# KiCad board RKD07_Assemble_ZWEI.kicad_pcb (continued)
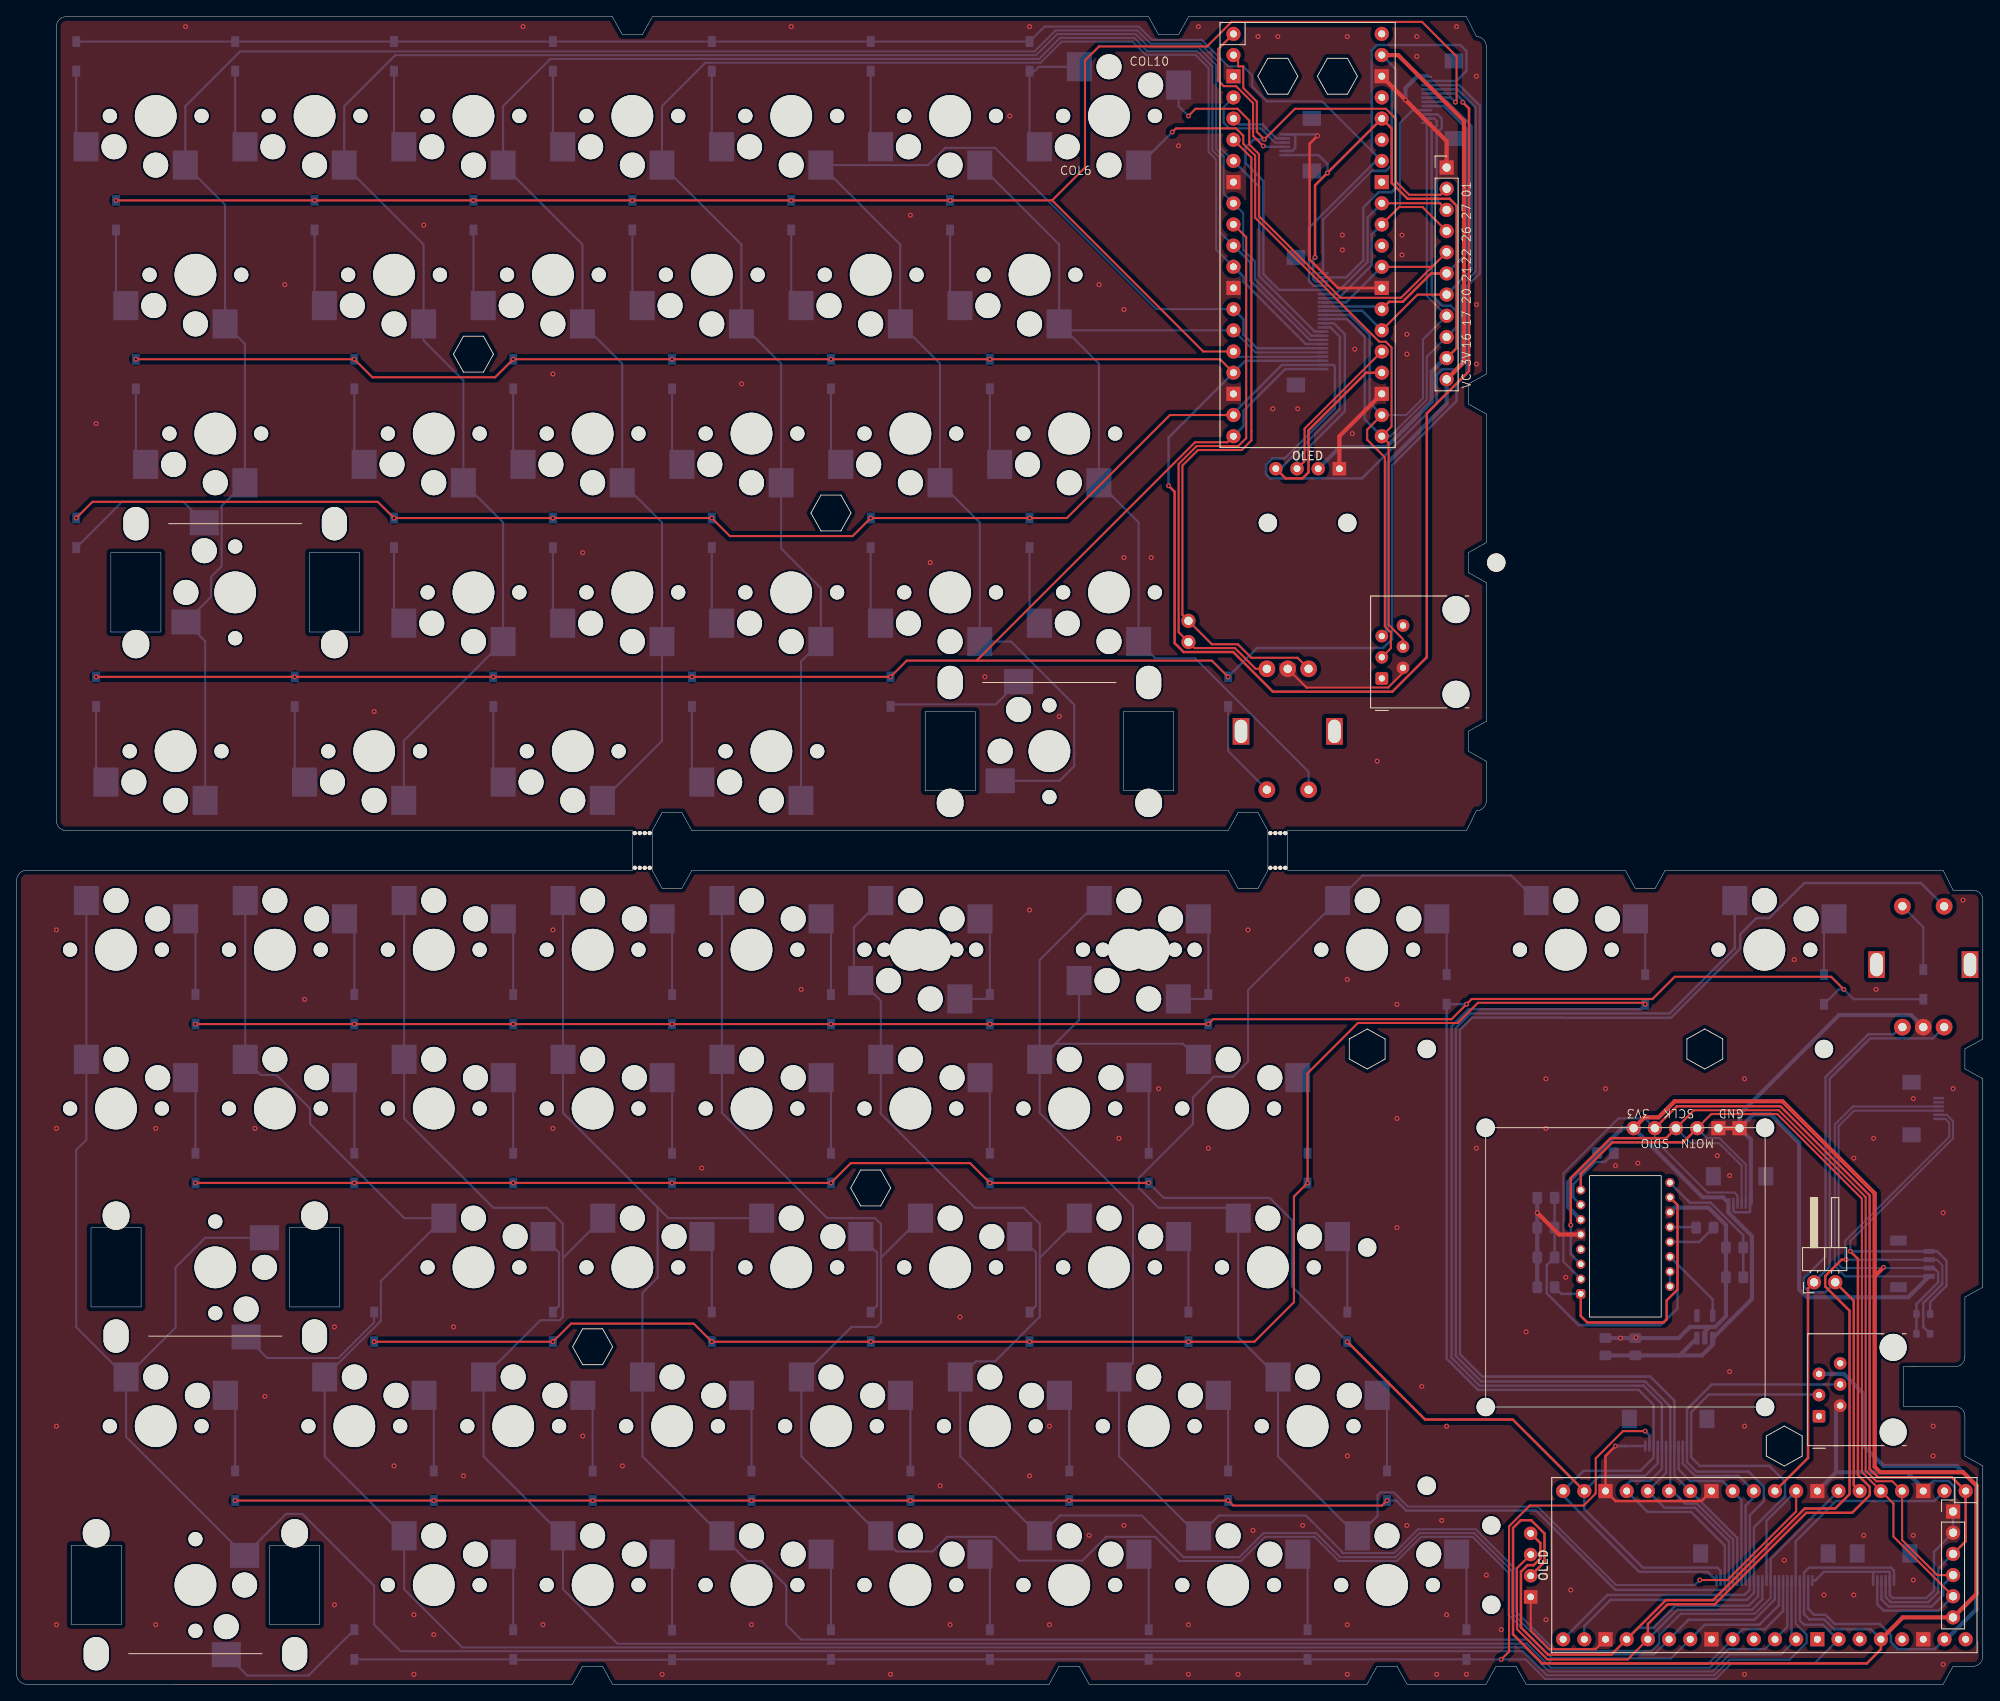
[diagram p0: board, top side]
## Footprints (pads in the part's own frame, mm; a bottom-side part is the same pattern mirrored in y, then rotated)
C_0805_2012Metric_Pad1.18x1.45mm_HandSolder
  rrect 1.175x1.45 smd: 1(-1.038,0) 2(1.038,0)
Diode_SMD
  rect 1.3x0.95 smd far side: 1(-1.775,0) 2(1.775,0)
Hirose_FH12-6S-0.5SH_1x06-1MP_P0.50mm_Horizontal
  rect 0.3x1.3 smd: 1(-1.25,1.85) 2(-0.75,1.85) 3(-0.25,1.85) 4(0.25,1.85) 5(0.75,1.85) 6(1.25,1.85)
  rect 1.8x2.2 smd: MP(-3.15,-1.4) MP(3.15,-1.4)
Hirose_FH12-12S-0.5SH_1x12-1MP_P0.50mm_Horizontal
  rect 1.8x2.2 smd: (-4.65,-1.4) (4.65,-1.4)
  rect 0.3x1.3 smd: 1(-2.75,1.85) 2(-2.25,1.85) 3(-1.75,1.85) 4(-1.25,1.85) 5(-0.75,1.85) 6(-0.25,1.85) 7(0.25,1.85) 8(0.75,1.85) 9(1.25,1.85) 10(1.75,1.85) 11(2.25,1.85) 12(2.75,1.85)
Hirose_FH12-24S-0.5SH_1x24-1MP_P0.50mm_Horizontal
  rect 0.3x1.3 smd: 1(-5.75,1.85) 2(-5.25,1.85) 3(-4.75,1.85) 4(-4.25,1.85) 5(-3.75,1.85) 6(-3.25,1.85) 7(-2.75,1.85) 8(-2.25,1.85) 9(-1.75,1.85) 10(-1.25,1.85) 11(-0.75,1.85) 12(-0.25,1.85) 13(0.25,1.85) 14(0.75,1.85) 15(1.25,1.85) 16(1.75,1.85) 17(2.25,1.85) 18(2.75,1.85) 19(3.25,1.85) 20(3.75,1.85) 21(4.25,1.85) 22(4.75,1.85) 23(5.25,1.85) 24(5.75,1.85)
  rect 1.8x2.2 smd: MP(-7.65,-1.4) MP(7.65,-1.4)
JST_SMD_1.0mm-4_Black
  rect 0.6x1.35 smd: 1(-1.5,0) 2(-0.5,0) 3(0.5,0) 4(1.5,0)
  rect 1.2x2 smd: NC1(2.8,-3.675) NC2(-2.8,-3.675)
m2_Screw_Hole
  round 2.2 hole 2.2 unplated: (0,0)
OLED_center_display
  round 1.62 hole 0.82: 1(-3.81,-18.5) 2(-1.27,-18.5) 3(1.27,-18.5)
  rect 1.62x1.62 hole 0.82: 4(3.81,-18.5)
PinHeader_1x02_P2.54mm_Horizontal
  round 1.7 hole 1: 1(0,0) 2(0,-2.54)
PinHeader_1x06_P2.54mm_Vertical
  rect 1.7x1.7 hole 1: 1(0,0)
  round 1.7 hole 1: 2(0,-2.54) 3(0,-5.08) 4(0,-7.62) 5(0,-10.16) 6(0,-12.7)
PinHeader_1x11_P2.54mm_Vertical
  rect 1.7x1.7 hole 1: 1(0,0)
  round 1.7 hole 1: 2(0,-2.54) 3(0,-5.08) 4(0,-7.62) 5(0,-10.16) 6(0,-12.7) 7(0,-15.24) 8(0,-17.78) 9(0,-20.32) 10(0,-22.86) 11(0,-25.4)
PinSocket_1x06_P2.54mm_Vertical
  round 1.7 hole 1: 1(0,0) 2(0,-2.54) 3(0,-5.08) 4(0,-7.62)
  rect 1.7x1.7 hole 1: 5(0,-10.16) 6(0,-12.7)
PMW3610DM-SUDU
  rrect 1.1x1.1 hole 0.7: 1(-3.18,5.35)
  round 1.1 hole 0.7: 2(-1.4,5.35) 3(0.38,5.35) 4(2.16,5.35) 5(3.94,5.35) 6(5.72,5.35) 7(7.5,5.35) 8(9.28,5.35) 9(10.17,-5.35) 10(8.39,-5.35) 11(6.61,-5.35) 12(4.83,-5.35) 13(3.05,-5.35) 14(1.27,-5.35) 15(-0.51,-5.35) 16(-2.29,-5.35)
R_0603_1608Metric
  rrect 0.8x0.95 smd: 1(-0.825,0) 2(0.825,0)
R_0805_2012Metric_Pad1.20x1.40mm_HandSolder
  rrect 1.2x1.4 smd: 1(-1,0) 2(1,0)
RJ12_Amphenol_54601-x06_Horizontal
  round 3.25 hole 3.25 unplated: (-1.9,-8.89) (8.26,-8.89)
  rrect 1.52x1.52 hole 0.76: 1(0,0)
  round 1.52 hole 0.76: 2(1.27,-2.54) 3(2.54,0) 4(3.81,-2.54) 5(5.08,0) 6(6.35,-2.54)
rkd_Asm_ChocV1V2_Hotswap_1u_NM
  round 1.7 hole 1.7 unplated: (-5.5,0) (5.5,0)
  round 3 hole 3 unplated: (-5,-3.7) (0,-5.9)
  round 5 hole 5 unplated: (0,0)
  rect 3x3.5 smd far side: 1(-8.35,-3.7) 2(3.55,-5.9)
rkd_Asm_ChocV1V2_Hotswap_1u_NM#2
  round 3 hole 3 unplated: (-5,-3.7) (0,-5.9)
  rect 3x3.5 smd far side: 1(-8.35,-3.7) 2(3.55,-5.9)
rkd_Asm_ChocV1V2_Hotswap_1u_twei0.25_A_NM
  round 1.7 hole 1.7 unplated: (-7.881,0) (-5.5,0) (3.119,0) (5.5,0)
  round 3 hole 3 unplated: (-5,-3.7) (-2.381,5.9) (0,-5.9) (2.619,3.7)
  round 5 hole 5 unplated: (-2.381,0) (0,0)
  rect 3x3.5 smd far side: 1(-8.35,-3.7) 1(-5.931,5.9) 2(3.55,-5.9) 2(5.969,3.7)
rkd_Asm_ChocV2_PCBMountStab_2uL
  oval 3.2x3.4 hole 3.2x3.4 unplated: (-11.9,6.2) (11.9,6.2)
  oval 3x4 hole 3x4 unplated: (-11.9,-8.24) (11.9,-8.24)
rkd_cutdot
  round 0.5 hole 0.5 unplated: (-0.893,0) (-0.298,0) (0.297,0) (0.893,0)
rkd_Guard_Screw_Hall
  round 2.2 hole 2.2 unplated: (29.766,4.763) (29.766,-4.763)
rkd_picot5400_BTM
  round 2.2 hole 2.2 unplated: (-16.75,16.75) (-16.75,-16.75) (16.75,16.75) (16.75,-16.75)
rkd_RPi_Pico_TH_NODBG
  oval 1.7x1.7 hole 0.85: 1(-8.89,24.13) 2(-8.89,21.59) 4(-8.89,16.51) 5(-8.89,13.97) 6(-8.89,11.43) 7(-8.89,8.89) 9(-8.89,3.81) 10(-8.89,1.27) 11(-8.89,-1.27) 12(-8.89,-3.81) 14(-8.89,-8.89) 15(-8.89,-11.43) 16(-8.89,-13.97) 17(-8.89,-16.51) 19(-8.89,-21.59) 20(-8.89,-24.13) 21(8.89,-24.13) 22(8.89,-21.59) 24(8.89,-16.51) 25(8.89,-13.97) 26(8.89,-11.43) 27(8.89,-8.89) 29(8.89,-3.81) 30(8.89,-1.27) 31(8.89,1.27) 32(8.89,3.81) 34(8.89,8.89) 35(8.89,11.43) 36(8.89,13.97) 37(8.89,16.51) 39(8.89,21.59) 40(8.89,24.13)
  rect 1.7x1.7 hole 0.85: 3(-8.89,19.05) 8(-8.89,6.35) 13(-8.89,-6.35) 18(-8.89,-19.05) 23(8.89,-19.05) 28(8.89,-6.35) 33(8.89,6.35) 38(8.89,19.05)
RotaryEncoder_EC11-Switch
  round 2 hole 1: A(-2.5,-7.5) B(2.5,-7.5) C(0,-7.5) S1(-2.5,7) S2(2.5,7)
  rect 2x3.2 hole 1.5x2.8: MP(-5.6,0) MP(5.6,0)
SOT-23-5_HandSoldering
  rrect 1.56x0.65 smd: 1(-1.35,0.95) 2(-1.35,0) 3(-1.35,-0.95) 4(1.35,-0.95) 5(1.35,0.95)

## Nets
1V9_R: C2.1 C6.1 C9.1 U2.5 U3.14
3v3_L: J1.22 J4.6 J23.10 OL1.3 U1.36
3v3_R: C1.1 C3.1 J2.22 J5.6 J6.3 J7.1 J9.6 J24.1 J53.2 OL2.3 R1.2 R2.1 R3.1 U2.1 U2.3 U3.6 U4.36
GND_L: J1.24 J3.1 J4.1 J4.5 J23.1 J51.2 OL1.4 SW30.C U1.3 U1.8 U1.13 U1.18 U1.23 U1.28 U1.38
GND_R: C1.2 C2.2 C3.2 C4.2 C5.2 C6.2 C8.2 C9.2 J2.24 J5.1 J5.5 J6.4 J7.2 J7.6 J8.1 J9.1 J9.2 J24.5 J24.6 J52.2 J53.1 OL2.4 SW49.C U2.2 U3.5 U3.11 U4.3 U4.8 U4.13 U4.18 U4.23 U4.28 U4.38
VCC_L: J1.23 J23.11 J51.5 U1.39
VCC_R: J2.23 J52.5 U4.39
COL0_GP17_R: J2.10 J8.12 J52.3 U4.22
COL0_L: J1.10 SW1.2 SW2.2 SW3.2 SW4.2 SW5.2 U1.7
COL1_GP16_R: J2.9 J8.11 J52.4 U4.21
COL1_L: J1.9 SW6.2 SW7.2 SW8.2 SW9.2 SW10.2 U1.9
COL2_L: J1.8 SW11.2 SW12.2 SW13.2 SW14.2 SW15.2 U1.11
COL2_R: J2.8 J8.10 U4.11
COL3_L: J1.7 SW16.2 SW17.2 SW18.2 SW19.2 SW20.2 U1.12
COL3_R: J2.7 J8.9 U4.12
COL4_L: J1.6 SW21.2 SW22.2 SW23.2 SW24.2 SW25.2 U1.14
COL4_R: J2.6 J8.8 SW49.S2 U4.14
COL5_L: J1.5 SW26.2 SW27.2 SW28.2 SW29.2 SW30.S1 U1.15
COL5_R: J2.5 J8.7 SW50.2 U4.15
COL6_L: J1.13 J3.11 J23.9 J51.4 SW31.2 U1.21
COL6_R: J2.13 SW51.2 SW52.2 SW53.2 SW54.2 SW55.2 U4.9
COL7_L: J1.14 J3.12 J23.8 J51.3 U1.22
COL7_R: J2.14 SW56.2 SW57.2 SW58.2 SW59.2 SW60.2 U4.7
COL8_L: J1.15 J3.7 J23.7 U1.26
COL8_R: J2.15 SW61.2 SW62.2 SW63.2 SW64.2 SW65.2 U4.26
COL9_L: J1.16 J3.8 J23.6 U1.27
COL9_R: J2.16 SW66.2 SW67.2 SW68.2 SW69.2 SW70.2 U4.27
COL10_L: J1.17 J23.5 SW32.1 U1.29
COL10_R: J2.17 SW71.2 SW72.2 SW73.2 SW74.2 SW75.2 U4.29
COL11_L: J1.18 J3.9 J23.4 U1.31
COL11_R: J2.18 SW76.2 SW77.2 SW78.2 SW79.2 SW80.2 U4.31
COL12_L: J1.19 J3.10 J23.3 U1.32
COL12_R: J2.19 SW81.2 SW82.2 SW83.2 SW84.2 SW85.2 U4.32
COL13_L: J1.20 J23.2 U1.2
COL13_R: J2.20 SW86.2 SW87.2 SW88.2 SW89.2 SW90.2 U4.2
GP00_L: J4.4 U1.1
GP00_R: J5.4 J7.3 J9.3 J24.2 U3.2 U4.1
GP02_L: J4.3 U1.4
GP02_R: J5.3 J7.4 J9.4 J24.3 U3.3 U4.4
GP03_L: J4.2 U1.5
GP03_R: J5.2 J7.5 J9.5 J24.4 U3.8 U4.5
GP04_RE_A_R: J22.2 SW49.A U4.6
GP07_RE_B_R: J22.1 SW49.B U4.10
RE_A_L: J21.2 SW30.A U1.6
RE_B_L: J21.1 SW30.B U1.10
ROW0_L: D1.1 D6.1 D11.1 D16.1 D21.1 D26.1 D31.1 J1.21 J3.2 U1.34
ROW0_R: D51.1 D56.1 D61.1 D66.1 D71.1 D76.1 D81.1 D86.1 J2.21 J8.2 U4.34
ROW1_L: D2.1 D7.1 D12.1 D17.1 D22.1 D27.1 J1.4 J3.6 U1.16
ROW1_R: D52.1 D57.1 D62.1 D67.1 D72.1 D77.1 D82.1 D87.1 J2.4 J8.6 U4.16
ROW2_L: D3.1 D8.1 D13.1 D18.1 D23.1 D28.1 J1.3 J3.5 U1.17
ROW2_R: D53.1 D58.1 D63.1 D68.1 D73.1 D78.1 D83.1 D88.1 J2.3 J8.5 U4.17
ROW3_L: D4.1 D9.1 D14.1 D19.1 D24.1 D29.1 J1.2 J3.4 U1.19
ROW3_R: D54.1 D59.1 D64.1 D69.1 D74.1 D79.1 D84.1 D89.1 J2.2 J8.4 U4.19
ROW4_L: D5.1 D10.1 D15.1 D20.1 D25.1 D30.1 J1.1 J3.3 U1.20
ROW4_R: D49.1 D50.1 D55.1 D60.1 D65.1 D70.1 D75.1 D80.1 D85.1 D90.1 J2.1 J8.3 U4.20
SCL/TX_L: J1.12 OL1.2 U1.25
SCL/TX_R: J2.12 J6.2 J53.4 OL2.2 R2.2 U4.25
SDA/SCK_L: J1.11 OL1.1 U1.24
SDA/SCK_R: J2.11 J6.1 J53.3 OL2.1 R3.2 U4.24
Net-(D1-A): D1.2 SW1.1
Net-(D2-A): D2.2 SW2.1
Net-(D3-A): D3.2 SW3.1
Net-(D4-A): D4.2 SW4.1
Net-(D5-A): D5.2 SW5.1
Net-(D6-A): D6.2 SW6.1
Net-(D7-A): D7.2 SW7.1
Net-(D8-A): D8.2 SW8.1
Net-(D9-A): D9.2 SW9.1
Net-(D10-A): D10.2 SW10.1
Net-(D11-A): D11.2 SW11.1
Net-(D12-A): D12.2 SW12.1
Net-(D13-A): D13.2 SW13.1
Net-(D14-A): D14.2 SW14.1
Net-(D15-A): D15.2 SW15.1
Net-(D16-A): D16.2 SW16.1
Net-(D17-A): D17.2 SW17.1
Net-(D18-A): D18.2 SW18.1
Net-(D19-A): D19.2 SW19.1
Net-(D20-A): D20.2 SW20.1
Net-(D21-A): D21.2 SW21.1
Net-(D22-A): D22.2 SW22.1
Net-(D23-A): D23.2 SW23.1
Net-(D24-A): D24.2 SW24.1
Net-(D25-A): D25.2 SW25.1
Net-(D26-A): D26.2 SW26.1
Net-(D27-A): D27.2 SW27.1
Net-(D28-A): D28.2 SW28.1
Net-(D29-A): D29.2 SW29.1
Net-(D30-A): D30.2 SW30.S2
Net-(D31-A): D31.2 SW31.1 SW32.2
Net-(D49-A): D49.2 SW49.S1
Net-(D50-A): D50.2 SW50.1
Net-(D51-A): D51.2 SW51.1
Net-(D52-A): D52.2 SW52.1
Net-(D53-A): D53.2 SW53.1
Net-(D54-A): D54.2 SW54.1
Net-(D55-A): D55.2 SW55.1
Net-(D56-A): D56.2 SW56.1
Net-(D57-A): D57.2 SW57.1
Net-(D58-A): D58.2 SW58.1
Net-(D59-A): D59.2 SW59.1
Net-(D60-A): D60.2 SW60.1
Net-(D61-A): D61.2 SW61.1
Net-(D62-A): D62.2 SW62.1
Net-(D63-A): D63.2 SW63.1
Net-(D64-A): D64.2 SW64.1
Net-(D65-A): D65.2 SW65.1
Net-(D66-A): D66.2 SW66.1
Net-(D67-A): D67.2 SW67.1
Net-(D68-A): D68.2 SW68.1
Net-(D69-A): D69.2 SW69.1
Net-(D70-A): D70.2 SW70.1
Net-(D71-A): D71.2 SW71.1
Net-(D72-A): D72.2 SW72.1
Net-(D73-A): D73.2 SW73.1
Net-(D74-A): D74.2 SW74.1
Net-(D75-A): D75.2 SW75.1
Net-(D76-A): D76.2 SW76.1
Net-(D77-A): D77.2 SW77.1
Net-(D78-A): D78.2 SW78.1
Net-(D79-A): D79.2 SW79.1
Net-(D80-A): D80.2 SW80.1
Net-(D81-A): D81.2 SW81.1
Net-(D82-A): D82.2 SW82.1
Net-(D83-A): D83.2 SW83.1
Net-(D84-A): D84.2 SW84.1
Net-(D85-A): D85.2 SW85.1
Net-(D86-A): D86.2 SW86.1
Net-(D87-A): D87.2 SW87.1
Net-(D88-A): D88.2 SW88.1
Net-(D89-A): D89.2 SW89.1
Net-(D90-A): D90.2 SW90.1
Net-(U3-+VCSEL): C4.1 U3.1 U3.10
Net-(U3--VCSEL): U3.15 U3.16
Net-(U3-CN): C7.1 U3.13
Net-(U3-CP): C7.2 U3.12
Net-(U3-NRESET): R1.1 U3.7
Net-(U3-VCP): C5.1 C8.1 U3.9

Pads without a net: J1 MP; J2 MP; J4 MP; J5 MP; J6 5 6 MP; J7 MP; J51 1 6; J52 1 6; J53 NC1 NC2; SW30 MP; SW49 MP; U1 30 33 35 37 40; U2 4; U3 4; U4 30 33 35 37 40

## Via types
v1: diameter 0.6, hole 0.3, Top to Bottom, 215 vias

## Routing (per net, layer and track width the routed paths; a pad name or vN(x,y) marks a point on that pad's centre or on a via; arc(x,y) is an arc through that point)
1V9_R: length 44.4
  Bottom w0.3: 199.13,50.38 203.36,46.16 U2.5 ; 199.13,50.38 U3.14 ; 199.13,50.38 199.13,45.09 197.14,43.09 187.27,43.09 183.46,46.9 183.46,50.27 C6.1 C2.1 C9.1
3v3_L: length 90.3
  Top w0.3: v1(155.67,171.16) 155.67,179.81 U1.36 164.87,186.61 164.87,180.08 166.76,178.2 171.81,178.2 172.65,177.35 172.65,160.28 J23.10 170.9,158.53
  Bottom w0.3: v1(157.16,181.28) 157.16,182.36 156.09,183.43 J4.6 ; J1.22 155.75,168.26 155.45,168.56 155.45,170.94 v1(155.67,171.16)
  Bottom w0.5: OL1.3 158.65,148.41 164.21,148.41 169.65,153.85 169.65,157.47 171.26,159.08 J23.10
3v3_R: length 325.9
  Top w0.3: U4.36 223.52,4.2 221.82,2.51 182.9,2.51 179.41,6 179.41,18.76 180.33,19.68 181.59,19.68 183.19,18.09 183.19,14.69 OL2.3
  Top w0.5: U4.36 226.14,8.03 J9.6 234.99,10.85 234.99,23.82 233.37,25.44 223.43,25.44 222.77,26.1 222.77,48.95 ; J24.1 195.17,68.01 196.86,68.01 198.79,69.94 211.72,69.94 222.77,58.89 222.77,48.95 ; 187.52,55.75 U3.6 ; 222.77,48.95 v1(223.84,50.02) ; 193.45,66.71 194.3,66.71
  Bottom w0.25: 194.48,66.71 194.3,66.71 ; J6.3 220.3,68.82 218.45,66.96 218.45,50.35 218.87,49.93 J53.2
  Bottom w0.3: J5.6 225.09,13.64 224.73,14 214.91,14 214.3,13.39 J2.22 214.3,8.43 214.95,7.79 216.73,7.79 217.92,6.6 217.93,6.61 222.32,6.61 U4.36 ; J53.2 229.87,49.93 230.39,49.42 230.39,48.23 227.78,45.62 227.78,42.05
  Bottom w0.5: 199.39,39.45 U2.3 ; 199.39,39.45 C1.1 C3.1 ; 199.39,39.45 202.07,39.45 203.36,40.74 U2.1 208.05,46.22 208.05,53.76 205.22,56.59 205.22,57.69 ; 205.22,57.79 204.6,58.41 202.17,58.41 J24.1 192.5,66.71 R1.2 186.03,60.24 186.03,57.24 U3.6
GND_L: length 111.3
  Top w0.25: SW30.C 154.66,119.55 154.68,119.57 164.44,119.57 166.22,121.35 J51.2
  Top w0.3: U1.28 158.42,167.49 155.02,170.89 155.02,184.8 v1(155.97,185.75)
  Top w0.5: OL1.4 158.59,149.71 U1.23 ; J23.1 171.45,185.11 v1(166.52,190.04) U1.38
  Bottom w0.25: 156.63,175.69 162.47,181.53
  Bottom w0.3: U1.38 164.87,191.69 164.87,182.23 164.17,181.53 162.47,181.53 ; 153.04,185.93 155.79,185.93 ; 153.04,185.93 J4.1 155.79,185.93 ; 153.04,185.93 153.29,185.68 153.29,184.26 152.96,183.93 J4.5 ; 155.79,185.93 v1(155.97,185.75) ; J1.24 156.63,175.69
  Bottom w0.5: U1.13 145.89,168.16 ; v1(166.52,190.04) 166.52,191.47 167.97,192.92 169.07,192.92
  vias: v1(9.53,151.22) v1(20.24,198.84) v1(32.15,167.89) v1(42.86,116.69) v1(48.82,175.03) v1(60.72,198.84) v1(64.29,157.17) v1(67.87,135.74) v1(86.92,155.98) v1(92.87,198.84) v1(107.16,176.22) v1(109.54,134.55) v1(116.09,120.86) v1(119.06,188.13) v1(121.44,198.84) v1(125.02,116.1) v1(129.78,167.89) v1(132.75,164.91) v1(132.75,135.15) v1(136.03,135.15) v1(139.3,184.56) v1(141.68,198.84) v1(148.83,197.65) v1(150.61,153) v1(151.21,197.65) v1(153.59,153) v1(158.95,173.84) v1(158.95,172.05) v1(159.54,197.65) v1(160.14,150.03) v1(160.44,160.15) v1(163.12,110.74) v1(166.09,173.83) v1(166.09,171.46) v1(166.69,161.93) v1(166.69,159.55) v1(167.88,197.65) v1(167.88,195.27) v1(172.64,198.84) v1(175.02,192.89) v1(175.02,165.51) v1(175.02,158.36)
GND_R: length 285.7
  Top w0.25: U4.23 189.31,4.22 183.76,4.22 181.53,6.45 OL2.4
  Top w0.3: U4.13 202,21.99 191.7,21.99 U4.18 190.5,27.39 v1(191.69,28.58) ; 187.37,53.79 U3.5
  Top w0.5: U3.5 184.93,53.96 v1(182.32,56.56) ; J24.6 J24.5
  Bottom w0.25: J53.1 219.23,48.93 218,50.16 218,67.15 220.17,69.32 J6.4
  Bottom w0.3: 222.74,13.5 216.69,13.5 215.64,12.45 J2.24 ; 222.74,13.5 222.59,13.35 J5.1 ; 222.74,13.5 224.52,13.5 224.59,13.43 J5.5 224.59,10.68 224.92,10.35 228.99,10.35 229.89,11.24 229.89,15.9 J9.2 ; J9.2 J9.1 232.34,20.9 232.34,23.68 231.64,24.39 229.8,24.39 U4.3 ; J9.2 232.17,17.49 ; J7.6 207.82,56.69 207.76,56.62 206.04,56.62 205.82,56.84 J7.2 ; 192.88,28.58 v1(191.69,28.58) 192.88,28.58 192.88,28.58 ; 192.88,28.58 J8.1 ; 224.59,11.85 224.59,12.95
  Bottom w0.5: C9.2 v1(182.32,56.56) C2.2 C4.2 ; J24.6 208.23,68.37 210.29,68.37 213.7,64.96 213.7,47.4 214.67,46.43 226.79,46.43 J53.1 ; J24.6 206.57,68.35 218.5,80.28 227.15,80.28 SW49.C ; J24.6 207.92,65.36 207.92,57.69 ; C1.2 199.28,41.53 200.62,42.87 202.98,42.87 ; C1.2 v1(194.15,41.6) 194.34,41.8 ; C1.2 C3.2 ; U3.11 198.78,57.18 202.86,57.18 204.94,55.09 C8.2 C5.2 204.94,44.15 203.66,42.87 202.98,42.87 ; 218.14,25.43 226.64,25.43 228.6,23.46 U4.3 ; 218.14,25.43 218.14,32.93 J52.2 ; 218.14,25.43 U4.8 ; U2.2 202.41,42.3 202.98,42.87
  vias: v1(4.76,90.5) v1(4.76,66.68) v1(4.76,30.97) v1(4.76,7.15) v1(16.67,66.68) v1(16.67,7.15) v1(28.58,66.68) v1(29.77,34.54) v1(34.53,82.16) v1(38.1,42.87) v1(38.1,9.53) v1(45.24,26.2) v1(47.63,8.34) v1(47.63,1.2) v1(50.01,5.96) v1(52.39,42.87) v1(53.58,25.01) v1(63.1,7.15) v1(64.29,90.5) v1(64.29,66.68) v1(67.87,29.77) v1(72.63,26.2) v1(77.39,1.2) v1(82.15,61.92) v1(88.11,7.15) v1(94.06,83.35) v1(104.78,1.2) v1(110.73,23.82) v1(111.92,7.15) v1(113.11,44.06) v1(121.44,92.88) v1(121.44,25.01) v1(123.83,30.97) v1(123.83,7.15) v1(128.59,17.87) v1(132.16,65.49) v1(132.75,19.06) v1(136.92,71.45) v1(140.49,7.15) v1(140.49,1.2) v1(142.88,64.3) v1(146.45,1.2) v1(147.64,90.5) v1(148.23,18.46) v1(154.19,19.06) v1(159.54,84.54) v1(159.54,27.39) v1(159.54,7.15) v1(159.54,1.2) v1(165.5,81.57) v1(165.5,67.87) v1(165.5,54.78) v1(166.69,19.06) v1(168.47,35.73) v1(170.26,1.2) v1(170.85,19.65) v1(171.45,30.97) v1(171.45,8.34) v1(173.83,1.2) v1(175.02,64.3) v1(176.21,13.11) v1(178,6.56) v1(180.98,42.28) v1(183.36,72.64) v1(183.36,66.68) v1(183.36,7.75) v1(185.74,48.82) v1(186.33,11.32) v1(190.5,71.45) v1(191.69,62.22) v1(192.29,41.53) v1(194.37,62.52) v1(203.89,63.41) v1(205.38,61.03) v1(205.38,37.51) v1(207.17,72.64) v1(207.17,30.97) v1(207.17,1.2) v1(211.93,14.89) v1(213.12,86.92) v1(216.69,10.72) v1(220.27,63.11) v1(220.27,10.72) v1(221.46,17.87) v1(222.65,65.49) v1(222.94,83.35) v1(227.41,70.26) v1(227.41,17.87) v1(227.41,12.51) v1(229.79,30.97) v1(229.79,27.39) v1(230.98,56.56) v1(230.98,2.39) v1(232.17,71.45) v1(233.36,94.07)
VCC_L: length 113.1
  Top w0.5: 171.45,157.09 J23.11 173.53,158.62 173.53,187.53 165.64,195.43 U1.39
  Bottom w0.3: U1.39 165.37,193.73 165.37,179.49 164.87,178.99 163.31,178.99 161.47,177.15 161.47,170.82 159.41,168.76 J1.23
  Bottom w0.5: J51.5 164.31,126.36 164.31,146.46 171.45,153.6 J23.11
VCC_R: length 71
  Bottom w0.3: J2.23 214.8,9.05 215.5,8.34 216.89,8.34 217.98,7.25 223.38,7.25 224.72,5.9 224.72,5.05 225.56,4.21 229.94,4.21 U4.39
  Bottom w0.5: U4.39 231.39,5.41 234.98,9 234.98,23.82 232.6,26.2 223.84,26.2 221.46,28.58 221.46,34.86 219.08,37.24 J52.5
COL0_GP17_R: length 72.6
  Bottom w0.3: U4.22 187.96,6.99 191.1,10.13 207.47,10.13 208.3,10.96 J2.10 208.3,18.84 212.02,22.56 212.02,24.33 210.15,26.2 201.81,26.2 200.76,27.25 J8.12 200.76,32.64 202.89,34.77 216.03,34.77 J52.3
COL0_L: length 257.4
  Bottom w0.25: U1.7 144.26,184.36 144.26,194.44 141.89,196.81 135.94,196.81 134.35,198.39 124.56,198.39 122.04,195.87 26.79,195.87 20.22,189.29 SW1.2 24.98,177.47 SW2.2 27.36,160.8 SW3.2 24.57,141.34 24.57,134.12 23.32,132.86 23.32,130.45 SW4.2 22.6,125.12 SW5.2
  Bottom w0.3: J1.10 155.64,162.26 148.98,168.93 148.98,179.65 U1.7
COL1_GP16_R: length 74.2
  Bottom w0.3: J52.4 203.24,35.97 200.26,32.99 J8.11 200.26,26.68 201.43,25.51 207.65,25.51 209.48,23.68 209.48,21.97 207.8,20.29 J2.9 207.8,11.36 207.17,10.72 190.74,10.72 U4.21
COL1_L: length 244.9
  Bottom w0.25: U1.9 144.72,178.83 144.72,183.27 143.81,184.17 143.81,194.25 141.71,196.36 135.75,196.36 134.17,197.94 124.75,197.94 122.23,195.42 45.39,195.42 39.27,189.3 SW6.2 48.79,172.7 SW7.2 48.79,161.18 53.56,156.42 SW8.2 58.32,139.37 SW9.2 46.41,113.17 SW10.2 ; U1.9 147.07,176.47 147.07,172.07 148.48,170.66 148.48,168.54 ; U1.9 146.28,178.04
  Bottom w0.3: 148.48,168.54 155.25,161.76 J1.9
COL2_L: length 224.5
  Bottom w0.25: U1.11 144.26,174.2 144.26,183.08 143.36,183.98 143.36,194.06 141.52,195.91 135.57,195.91 133.98,197.49 125.11,197.49 122.58,194.97 63.99,194.97 58.32,189.3 SW11.2 67.84,172.7 SW12.2 72.61,158.42 SW13.2 77.37,139.37 SW14.2 77.37,113.17 SW15.2 ; U1.11 145.89,173.21 ; U1.11 145.25,172.57
  Bottom w0.3: U1.11 147.94,170.53 147.94,168.37 155.04,161.26 J1.8
COL2_R: length 22.4
  Bottom w0.3: U4.11 206.45,25.01 201.22,25.01 199.76,26.47 J8.10 ; J2.8 207.3,21.44 208.28,22.42
COL3_L: length 204.3
  Bottom w0.25: U1.12 143.81,172.11 143.81,182.9 142.91,183.8 142.91,193.88 141.33,195.45 135.38,195.45 133.79,197.04 125.29,197.04 122.77,194.51 82.58,194.51 77.37,189.3 SW16.2 86.89,172.7 SW17.2 91.66,158.42 SW18.2 91.66,136.26 96.42,131.5 SW19.2 94.04,122.7 SW20.2 ; U1.12 145.89,170.82 ; U1.12 145.89,169.74 ; U1.12 145.89,170.67
  Bottom w0.3: 145.89,169.7 U1.12 147.09,168.83 147.09,168.25 154.58,160.76 J1.7
COL3_R: length 23
  Bottom w0.3: 206.8,22.12 U4.12 ; U4.12 206.8,22.13 J2.7 ; U4.12 204.54,24.39 200.65,24.39 199.26,25.77 J8.9
COL4_L: length 169.5
  Bottom w0.25: U1.14 136.65,164.95 117.29,184.3 111.34,184.3 109.27,182.23 SW21.2 105.94,172.7 SW22.2 110.71,158.42 SW23.2 115.47,139.37 SW24.2 119.23,125.08 126.8,117.5 126.8,110.14 125.04,108.38 SW25.2 118.54,107.76
  Bottom w0.3: J1.6 148.71,160.26 147.09,161.88 147.09,163.75 U1.14
COL4_R: length 159.8
  Bottom w0.3: 201.14,23.67 U4.14 ; U4.14 206.3,17.55 J2.6 ; U4.14 198.76,25.08 J8.8 198.76,34.01 195.86,36.92 175.73,36.92 173.05,39.6 173.05,78.51 174.51,79.97 185.14,79.97 185.16,79.96 198.37,79.96 206.65,88.24 206.65,89.98 208.59,91.91 210.14,91.91 214.34,96.12 228.31,96.12 SW49.S2
COL5_L: length 127.3
  Bottom w0.25: SW27.2 129.76,158.42 SW28.2 134.52,139.37 SW29.2 136.52,123.08 141.28,123.08 154.9,109.46 SW30.S1 155.04,107.17 ; SW27.2 124.99,172.7 SW26.2 ; SW27.2 125.76,162.41 U1.15 148.54,159.76 J1.5
COL5_R: length 136.2
  Bottom w0.3: U4.15 198.43,23.19 ; U4.15 198.26,23.33 J8.7 198.26,33.32 195.26,36.32 175.62,36.32 172.55,39.39 172.55,78.72 174.3,80.47 198.14,80.47 198.16,80.46 206,88.3 SW50.2 ; U4.15 198.53,23.19 200.03,21.68 201.46,21.68 205.8,17.34 J2.5
COL6_L: length 149.6
  Top w0.25: v1(138.56,186.19) 139,186.63 146.19,186.63 147.07,185.76 147.07,184.79 148.5,183.37 148.5,175.92 163.37,161.05 164.16,161.05 164.85,160.36 164.85,150.89 U1.21 164.49,148.89 164.49,127.1 166.22,125.37 J51.4
  Bottom w0.25: U1.21 164.7,149.71 169.07,154.09 169.07,159.24 J23.9
  Bottom w0.3: J23.9 172.65,162.82 172.65,164.65 171.95,165.36 170.95,165.36 169.66,166.65 169.66,186.34 170.26,186.94 170.26,187.53 169.97,187.82 J3.11 ; SW31.2 134.59,182.23 v1(138.56,186.19) ; J1.13 159.5,163.76 161.63,161.64 161.63,151.75 U1.21
COL6_R: length 208.6
  Top w0.25: U4.9 213.36,20.74 205.13,12.51 v1(201.81,12.51)
  Bottom w0.25: SW53.2 179.19,97.01 161.37,97.01 SW55.2 147.64,83.28 147.64,74.69 145.83,72.89 143.53,72.89 141.03,70.39 141.03,67.22 134.54,60.73 134.54,59.54 136.92,57.16 145.23,57.16 SW54.2 146.47,41.63 SW52.2 151.23,27.34 SW51.2 160.78,17.82 163.17,20.2 163.17,22.68 163.51,23.02 165.11,23.02 166.81,21.32 182.36,21.32 191.77,11.92 201.22,11.92 v1(201.81,12.51)
  Bottom w0.3: U4.9 209.8,19.63 J2.13
COL7_L: length 89.2
  Top w0.25: J51.3 164.77,124.28 164.77,126.18 164.04,126.91 164.04,147.18 161.93,149.3 161.93,150.5 U1.22
  Bottom w0.25: U1.22 166.6,152.25 168.62,154.27 168.62,161.33 J23.8 169.07,166.54 J3.12
  Bottom w0.3: U1.22 162.22,153.7 162.22,161.82 159.78,164.26 J1.14
COL7_R: length 221.6
  Bottom w0.25: SW59.2 122.66,86.87 SW60.2 ; SW59.2 122.66,68.55 133.84,57.36 133.84,38.53 SW57.2 132.18,27.34 SW56.2 144.14,20.25 154.58,20.25 158.93,15.9 158.93,15.74 165.15,15.74 168.01,18.59 174.93,18.59 179.77,13.76 179.77,8.72 184.46,4.03 196.05,4.03 196.94,4.92 196.94,5.89 199.51,8.46 208.4,8.46 210.3,10.36 J2.14 ; SW59.2 127.38,79.69 SW60.2 ; SW59.2 124.53,76.84 139.83,76.84 SW58.2
  Bottom w0.3: U4.7 210.3,15.05 J2.14
COL8_L: length 45.6
  Top w0.25: U1.26 167.96,166.7 J23.7
  Bottom w0.3: J23.7 174.43,169.67 174.43,186.94 171.55,189.82 J3.7 ; U1.26 161.32,164.76 J1.15
COL8_R: length 215.1
  Bottom w0.25: 122.67,51.17 122.67,44.1 117.31,38.74 115.01,38.74 SW62.2 113.13,27.34 SW61.2 125.09,20.25 134.89,20.25 139.9,15.24 146.59,15.24 149.49,18.14 155.79,18.14 158.69,15.24 165.31,15.24 168.21,18.14 174.75,18.14 179.32,13.57 179.32,8.53 184.28,3.58 196.29,3.58 U4.26 ; 122.67,51.17 122.67,55.21 120.73,57.16 114.9,57.16 103.61,68.45 SW64.2 103.61,82 SW65.2 100.87,84.42 100.38,84.9 100.38,90.79 SW65.2 ; 122.67,51.17 SW63.2
  Bottom w0.3: U4.26 200.46,7.75 208.36,7.75 210.8,10.19 J2.15
COL9_L: length 41
  Top w0.3: U1.27 164.56,165.84 166.18,165.84 169.58,169.24 J23.6
  Bottom w0.3: J1.16 163.36,165.26 U1.27 ; J3.8 171.12,189.32 173.83,186.61 173.83,171.62 J23.6
COL9_R: length 234.8
  Bottom w0.25: 103.62,51.17 103.62,43.4 103.09,42.87 100.09,42.87 SW67.2 94.08,27.34 SW66.2 105.48,15.94 109.83,15.94 111.58,17.69 117.33,17.69 120.19,14.84 127.78,14.84 130.63,17.69 136.5,17.69 139.4,14.79 146.78,14.79 149.68,17.69 155.6,17.69 158.5,14.79 165.5,14.79 168.4,17.69 174.56,17.69 178.87,13.38 178.87,8.35 184.09,3.12 198.38,3.12 U4.27 ; 103.62,51.17 103.62,55.21 102.92,55.92 97.19,55.92 84.56,68.55 SW69.2 SW70.2 ; 103.62,51.17 SW68.2
  Bottom w0.3: J2.16 211.3,9.5 208.95,7.15 202.41,7.15 U4.27
COL10_L: length 68
  Top w0.25: v1(140.49,188.13) 141.35,188.99 146.38,188.99 147.79,187.57 147.79,184.71 148.95,183.55 148.95,176.11 158.74,166.31 165.99,166.31 169.7,170.03 ; 169.7,170.03 U1.29 ; 169.7,170.03 J23.5
  Bottom w0.25: v1(140.49,188.13) 139.32,189.3 SW32.1
  Bottom w0.3: J1.17 159.4,165.76 U1.29
COL10_R: length 241.3
  Bottom w0.25: 76.85,57.21 78.14,55.92 SW73.2 89.24,55.92 ; 76.85,57.21 65.51,68.55 SW74.2 SW75.2 ; 76.85,57.21 76.85,48.78 75.03,46.96 SW72.2 75.03,27.34 SW71.2 87.58,14.79 89.3,14.79 92.27,11.82 92.27,7.15 94.06,5.37 181.21,5.37 184.14,2.44 202.77,2.44 U4.29
  Bottom w0.3: U4.29 206.94,6.61 209.6,6.61 211.8,8.81 J2.17
COL11_L: length 39.6
  Top w0.25: U1.31 165.76,177.2 168.57,177.2 J23.4
  Bottom w0.25: U1.31 165.85,177.29 165.85,187.29 167.38,188.82 J3.9
  Bottom w0.3: U1.31 162.47,173.91 162.47,170.22 158.51,166.26 J1.18
COL11_R: length 268.5
  Bottom w0.25: 65.48,51.13 65.48,44.06 65.09,43.67 62.79,43.67 SW77.2 55.98,27.34 SW76.2 65.51,11.4 72.03,4.87 181.07,4.87 ; 65.48,51.13 SW78.2 ; 65.48,51.13 65.48,55.25 63.58,57.16 57.16,57.16 46.46,67.86 SW79.2 SW80.2 ; 181.07,4.87 181.07,4.87 ; 181.07,4.87 181.07,4.87 ; 181.07,4.87 183.95,1.99 203.01,1.99 205.25,4.23 209.64,4.23 U4.31
  Bottom w0.3: U4.31 212.3,6.89 J2.18
COL12_L: length 36.5
  Top w0.25: J23.3 170.66,177.65 U1.32
  Bottom w0.3: J23.3 170.25,178.06 170.25,186.05 170.87,186.67 170.87,187.82 170.37,188.32 J3.10 ; U1.32 161.97,175.95 161.97,170.61 158.12,166.76 J1.19
COL12_R: length 287.8
  Bottom w0.25: U4.32 211.53,3.58 205.38,3.58 203.34,1.54 183.73,1.54 180.85,4.42 53.43,4.42 46.46,11.4 SW81.2 36.93,27.34 SW82.2 43.66,43.6 43.66,48.36 SW83.2 46.49,55.92 35.18,67.22 35.18,69.07 31.16,73.09 29.28,73.09 SW84.2 SW85.2 27.33,94.02 26.19,92.88
  Bottom w0.3: U4.32 212.8,5.97 J2.19
COL13_L: length 71.2
  Top w0.25: J23.2 170.73,178.67 166.96,178.67 165.35,180.28 165.35,187.8 164.16,188.99 153.26,188.99 v1(149.59,185.32) ; v1(149.59,185.32) 148.69,186.22 148.69,189.85 147.07,191.48 147.07,194.07 146.45,194.07 146.45,194.88 U1.2 ; v1(149.59,185.32) 149.46,185.32
  Bottom w0.3: v1(149.59,185.32) 148.33,185.32 147.34,184.33 147.34,182.47 149.48,180.33 149.48,169.14 151.35,167.26 J1.20
COL13_R: length 349.9
  Bottom w0.25: SW87.2 7.14,42.84 7.14,64.1 8.36,65.31 SW89.2 SW90.2 ; SW87.2 19.05,42.8 19.05,50.02 22.6,53.57 SW88.2 ; SW87.2 13.12,29.68 SW86.2 32.31,20.44 34.25,20.44 42.86,11.83 42.86,7.15 46.04,3.97 180.58,3.97 183.47,1.09 203.53,1.09 205.4,2.96 212.58,2.96 214.61,4.99 214.61,5.96 213.3,7.27 J2.20
  Bottom w0.3: J2.20 213.3,17.15 218.13,21.99 229.94,21.99 U4.2
GP00_L: length 20.2
  Top w0.25: U1.1 144.07,196.14 144.07,192.36 144.73,191.7 146.21,191.7 148.24,189.66 148.24,185.75 148.25,185.75 v1(149.46,184.53)
  Bottom w0.25: 146.13,197.97 U1.1
  Bottom w0.3: v1(149.46,184.53) 149.56,184.43 J4.4
GP00_R: length 142
  Top w0.3: J9.3 233.68,17.15 U4.1 232.03,24.84 223.18,24.84 222.17,25.85 222.17,58.64 211.47,69.34 199.04,69.34 J24.2
  Bottom w0.25: U3.2 185.45,50.69 185.45,61.28 192.06,67.89 195.24,67.89 J24.2 196.41,65.3 202.72,58.99 205.98,58.99 206.32,58.64 J7.3
  Bottom w0.3: J9.3 230.39,13.86 230.39,11.04 229.2,9.85 224.72,9.85 224.09,10.47 J5.4
GP02_L: length 12.7
  Bottom w0.25: 146.53,190.35 U1.4 ; U1.4 144.72,189.17 144.72,187.32 145.4,186.63 149.16,186.63 150.86,184.93 J4.3 ; U1.4 145.73,190.51
GP02_R: length 133.5
  Top w0.25: J9.4 230.27,13.11 226.06,17.32 U4.4 224.88,24.36 222.98,24.36 221.69,25.65 221.69,58.44 211.28,68.86 201.11,68.86 J24.3
  Top w0.3: v1(186.33,55.08) 186.33,60.73 191.11,65.51 197.75,65.51 J24.3
  Bottom w0.25: J24.3 200.76,64.9 204.14,64.9 206.82,62.22 J7.4
  Bottom w0.3: J5.3 223.59,10.19 224.43,9.35 229.6,9.35 230.98,10.72 230.98,11.92 J9.4 ; v1(186.33,55.08) 186.33,51.59 U3.3
GP03_L: length 7.1
  Bottom w0.3: U1.5 146.59,187.11 149.36,187.11 151.04,185.43 J4.2
GP03_R: length 121
  Top w0.25: U4.5 225.03,21.68 225.03,17.71 J9.5 ; U4.5 221.24,25.46 221.24,58.26 211.09,68.41 203.19,68.41 J24.4 ; U4.5 223.52,23.5 223.62,23.61
  Top w0.3: J24.4 199.79,65.01 191.32,65.01 187.53,61.22 U3.8
  Bottom w0.25: 201.68,66.71 J24.4 202.67,65.53 204.15,65.53 207.32,62.36 J7.5
  Bottom w0.3: J9.5 230.45,8.84 223.84,8.84 223.09,9.59 J5.2
GP04_RE_A_R: length 68.9
  Top w0.3: J22.2 220.27,46.01 220.27,23.9 U4.6
  Bottom w0.3: 217.88,48.39 J22.2 216.84,47.03 214.92,47.03 214.3,47.64 214.3,48.73 216.88,51.31 216.88,72.85 222.02,77.98 225.03,77.98 225.88,78.83 SW49.A
GP07_RE_B_R: length 68.5
  Top w0.3: J22.1 214.78,47.51 214.78,27.15 U4.10
  Bottom w0.3: SW49.B 229.75,77.48 222.22,77.48 217.38,72.64 217.38,50.11 J22.1
RE_A_L: length 82.2
  Top w0.25: SW30.A 153.57,123.14 148.04,123.14 146.42,124.75 143.31,124.75 J21.2 139.77,128.29 139.77,146.19 141.63,148.05 146.88,148.05 148.04,149.22 148.04,183.12 U1.6
RE_B_L: length 68.8
  Top w0.25: J21.1 141.22,124.3 146.06,124.3 148.55,121.81 SW30.B ; J21.1 140.49,125.62 ; J21.1 139.32,126.2 139.32,146.38 141.47,148.53 146.48,148.53 147.42,149.48 147.42,173.58 U1.10
ROW0_L: length 218.4
  Bottom w0.25: U1.34 156.53,189.87 149.92,189.87 148.14,191.66 148.14,192.98 147.04,194.08 145.26,194.08 142.08,197.26 136.13,197.26 134.54,198.84 123.24,198.84 D31.1 D26.1 D21.1 D16.1 D11.1 D6.1 D1.1
  Bottom w0.3: J1.21 155.5,167.76 154.95,168.31 154.95,174.72 162.96,182.73 U1.34 162.47,183.93 162.47,196 163.11,196.63 173.11,196.63 173.83,195.91 173.83,193.53 172.62,192.32 J3.2
ROW0_R: length 233.2
  Top w0.25: v1(178,3) 178.94,3.93 178.94,18.95 181.42,21.44 181.42,21.44 187.88,21.44 189.32,22.89 189.32,27.1 192.59,30.37 v1(195.26,30.37)
  Bottom w0.25: D86.1 D81.1 59.58,2.95 D76.1 78.63,3 D71.1 D66.1 D61.1 D56.1 D51.1 v1(178,3) 180.92,3 183.28,0.64 203.71,0.64 205.59,2.51 215.55,2.51 U4.34
  Bottom w0.3: J8.2 195.76,29.87 v1(195.26,30.37) ; U4.34 218.3,5.41 216.56,7.15 214.31,7.15 213.8,7.67 J2.21
ROW1_L: length 228.1
  Top w0.25: v1(172.5,189.78) 172.64,189.91 172.64,195.27 168.5,199.41 145.67,199.41 142.72,196.46 129.78,196.46 128.09,194.78 128.09,181.95 124.14,178 ; U1.16 142.27,159.87 124.14,178 ; v1(11.91,178) v1(35.72,178) v1(54.77,178) v1(73.82,178) v1(92.87,178) v1(111.92,178) 124.14,178
  Bottom w0.25: 156.44,159.24 146.52,159.24 U1.16
  Bottom w0.3: v1(172.5,189.78) 171.96,190.32 J3.6
ROW1_R: length 208.3
  Top w0.25: v1(164.31,22.05) 163.7,21.44 145.86,21.44 v1(145.26,22.05) v1(126.21,22.05) v1(107.16,22.05) v1(88.11,22.05) v1(69.06,22.05) v1(50.01,22.05) 26.2,22.05 26.19,22.04
  Bottom w0.3: v1(164.31,22.05) 165.41,22.05 166.61,20.85 182.17,20.85 191.69,11.32 205.17,11.32 205.3,11.45 J2.4 205.3,17.13 201.25,21.18 197.59,21.18 U4.16 197.76,25.37 J8.6
  vias: v1(26.19,22.05)
ROW2_L: length 289.8
  Top w0.25: U1.17 144.27,158.95 v1(116.68,158.95) v1(97.63,158.95) v1(78.58,158.95) v1(59.53,158.95) 57.36,156.78 42.65,156.78 v1(40.48,158.95) v1(14.29,158.95)
  Top w0.3: v1(138.11,143.78) 138.84,143.05 138.84,124.89 139.91,123.82 145.86,123.82 150.61,119.07 164.94,119.07 169.07,123.2 169.07,152.46 174.13,157.52 174.13,189.02 v1(173.39,189.77)
  Bottom w0.25: U1.17 146.04,157.18
  Bottom w0.3: J3.5 172.54,190.82 173.39,189.98 v1(173.39,189.77) ; v1(138.11,143.78) 138.11,149.55 U1.17 147.32,158.76 J1.3
ROW2_R: length 310.1
  Top w0.25: v1(195.26,81.58) 195.09,81.75 175.21,81.75 172.79,79.33 160.81,79.33 154.78,73.3 v1(154.78,60.15) 153.14,58.51 153.14,45.84 148.4,41.1 v1(140.49,41.1) v1(121.44,41.1) v1(102.39,41.1) v1(83.34,41.1) 81.17,43.27 66.46,43.27 v1(64.29,41.1) v1(42.86,41.1)
  Bottom w0.3: v1(195.26,81.58) 195.26,81.57 194.67,80.97 174.09,80.97 172.05,78.93 172.05,39.19 175.41,35.82 195.06,35.82 197.26,33.61 J8.5 197.26,25.82 195.86,24.42 193.48,24.42 193.04,23.98 U4.17 195.55,20.68 200.79,20.68 204.8,16.67 J2.3
ROW3_L: length 248.9
  Top w0.25: U1.19 138.27,152.25 125.92,139.9 v1(121.44,139.9) v1(102.39,139.9) 100.22,137.73 85.51,137.73 v1(83.34,139.9) v1(64.29,139.9) v1(45.24,139.9) 43.3,141.84 9.09,141.84 v1(7.14,139.9)
  Bottom w0.3: U1.19 145.89,152.45 151.7,158.26 J1.2 157.86,158.26 158.06,158.06 158.06,153.07 152.04,147.05 150.57,147.05 149.81,146.3 149.81,145.16 150.32,144.65 161.31,144.65 170.26,153.61 170.25,153.62 170.25,157.03 170.95,157.74 172.64,157.74 173.24,158.33 173.24,167.77 174.93,169.47 174.93,189.14 172.75,191.32 J3.4
ROW3_R: length 223.4
  Top w0.25: v1(21.43,60.15) v1(40.48,60.15) v1(59.53,60.15) v1(78.58,60.15) v1(97.63,60.15) 100,62.52 114.31,62.52 v1(116.68,60.15) v1(135.73,60.15)
  Top w0.3: U4.19 179.38,31.76 168.87,31.76 v1(159.54,41.09)
  Bottom w0.25: v1(135.73,60.15) 137.53,58.35 150.24,58.35 152.89,55.69 152.89,47.75 D54.1
  Bottom w0.3: J2.2 204.3,13.59 203.89,14 194.97,14 187.96,21 U4.19 189.79,25.01 195.26,25.01 196.76,26.51 J8.4
ROW4_L: length 292.3
  Top w0.25: 115.1,122.79 106.72,122.79 v1(104.78,120.85) v1(80.96,120.85) v1(57.15,120.85) v1(33.34,120.85) v1(9.53,120.85) ; 115.1,122.79 141.29,148.99 145.17,148.99 U1.20 ; 115.1,122.79 143.31,122.79 v1(145.26,120.85)
  Bottom w0.3: 145.89,150.37 U1.20 147.09,150.91 147.09,152.76 152.1,157.76 J1.1 ; v1(145.26,120.85) 148.71,124.31 163.84,124.31 164.91,125.38 164.91,146.21 172.64,153.94 172.64,155.98 173.83,157.17 173.83,167.66 175.43,169.26 175.43,189.35 172.96,191.82 J3.3
ROW4_R: length 327.8
  Top w0.25: v1(219.08,83.35) 217.56,84.87 198.8,84.87 196.12,82.19 196.11,82.2 174.46,82.2 v1(173.83,81.58) 172.03,79.78 143.46,79.78 v1(142.88,79.2) v1(116.68,79.2) v1(97.63,79.2) v1(78.58,79.2) v1(59.53,79.2) v1(40.48,79.2) v1(21.43,79.2)
  Bottom w0.25: D49.1 220.25,82.17 v1(219.08,83.35) 218.47,83.35 D50.1
  Bottom w0.3: J2.1 202.75,13.5 194.54,13.5 185.42,22.62 U4.20 187.84,25.61 194.67,25.61 196.26,27.2 J8.3 196.26,33.54 194.48,35.32 175.2,35.32 171.45,39.07 D55.1 v1(173.83,81.58)
SCL/TX_L: length 40.4
  Top w0.25: U1.25 154.41,150.61 154.41,146.72 OL1.2
  Bottom w0.25: OL1.2 153.51,146.29
  Bottom w0.3: J1.12 157.92,163.26 159.25,161.93 159.25,152.71 153.51,146.97 OL1.2
SCL/TX_R: length 152.8
  Top w0.25: OL2.2 179.89,13.93 179.89,6.62 183.52,2.99 193.16,2.99 U4.25
  Top w0.3: v1(219.86,51.93) 220.77,51.03 220.77,25.1 222.18,23.68 222.18,22.69 220.07,20.58 214.58,20.58 203.59,9.6 197.94,9.6 195.58,7.24 U4.25
  Bottom w0.25: v1(219.86,51.93) 219.86,53.18 232.17,65.49 232.17,67.55 231.4,68.32 J6.2
  Bottom w0.3: U4.25 199.11,8.94 208.06,8.94 209.3,10.18 J2.12 ; R2.2 229.43,45.85 231.39,47.81 231.39,50.82 230.27,51.93 J53.4 v1(219.86,51.93)
